# Altium PCB Ixora.PcbDoc (part 8 of 13)
Units mm, origin at the board's own origin, x right, y up, seen from the top; angles counter-clockwise.
Board outline 125 x 90 mm, 6 copper layers (Top Layer, GND, Mid-Layer 1, Mid-Layer 2, POWER, Bottom Layer), stack 1.561 mm thick; 454 components, 512 nets, 2071 pads, 863 vias.
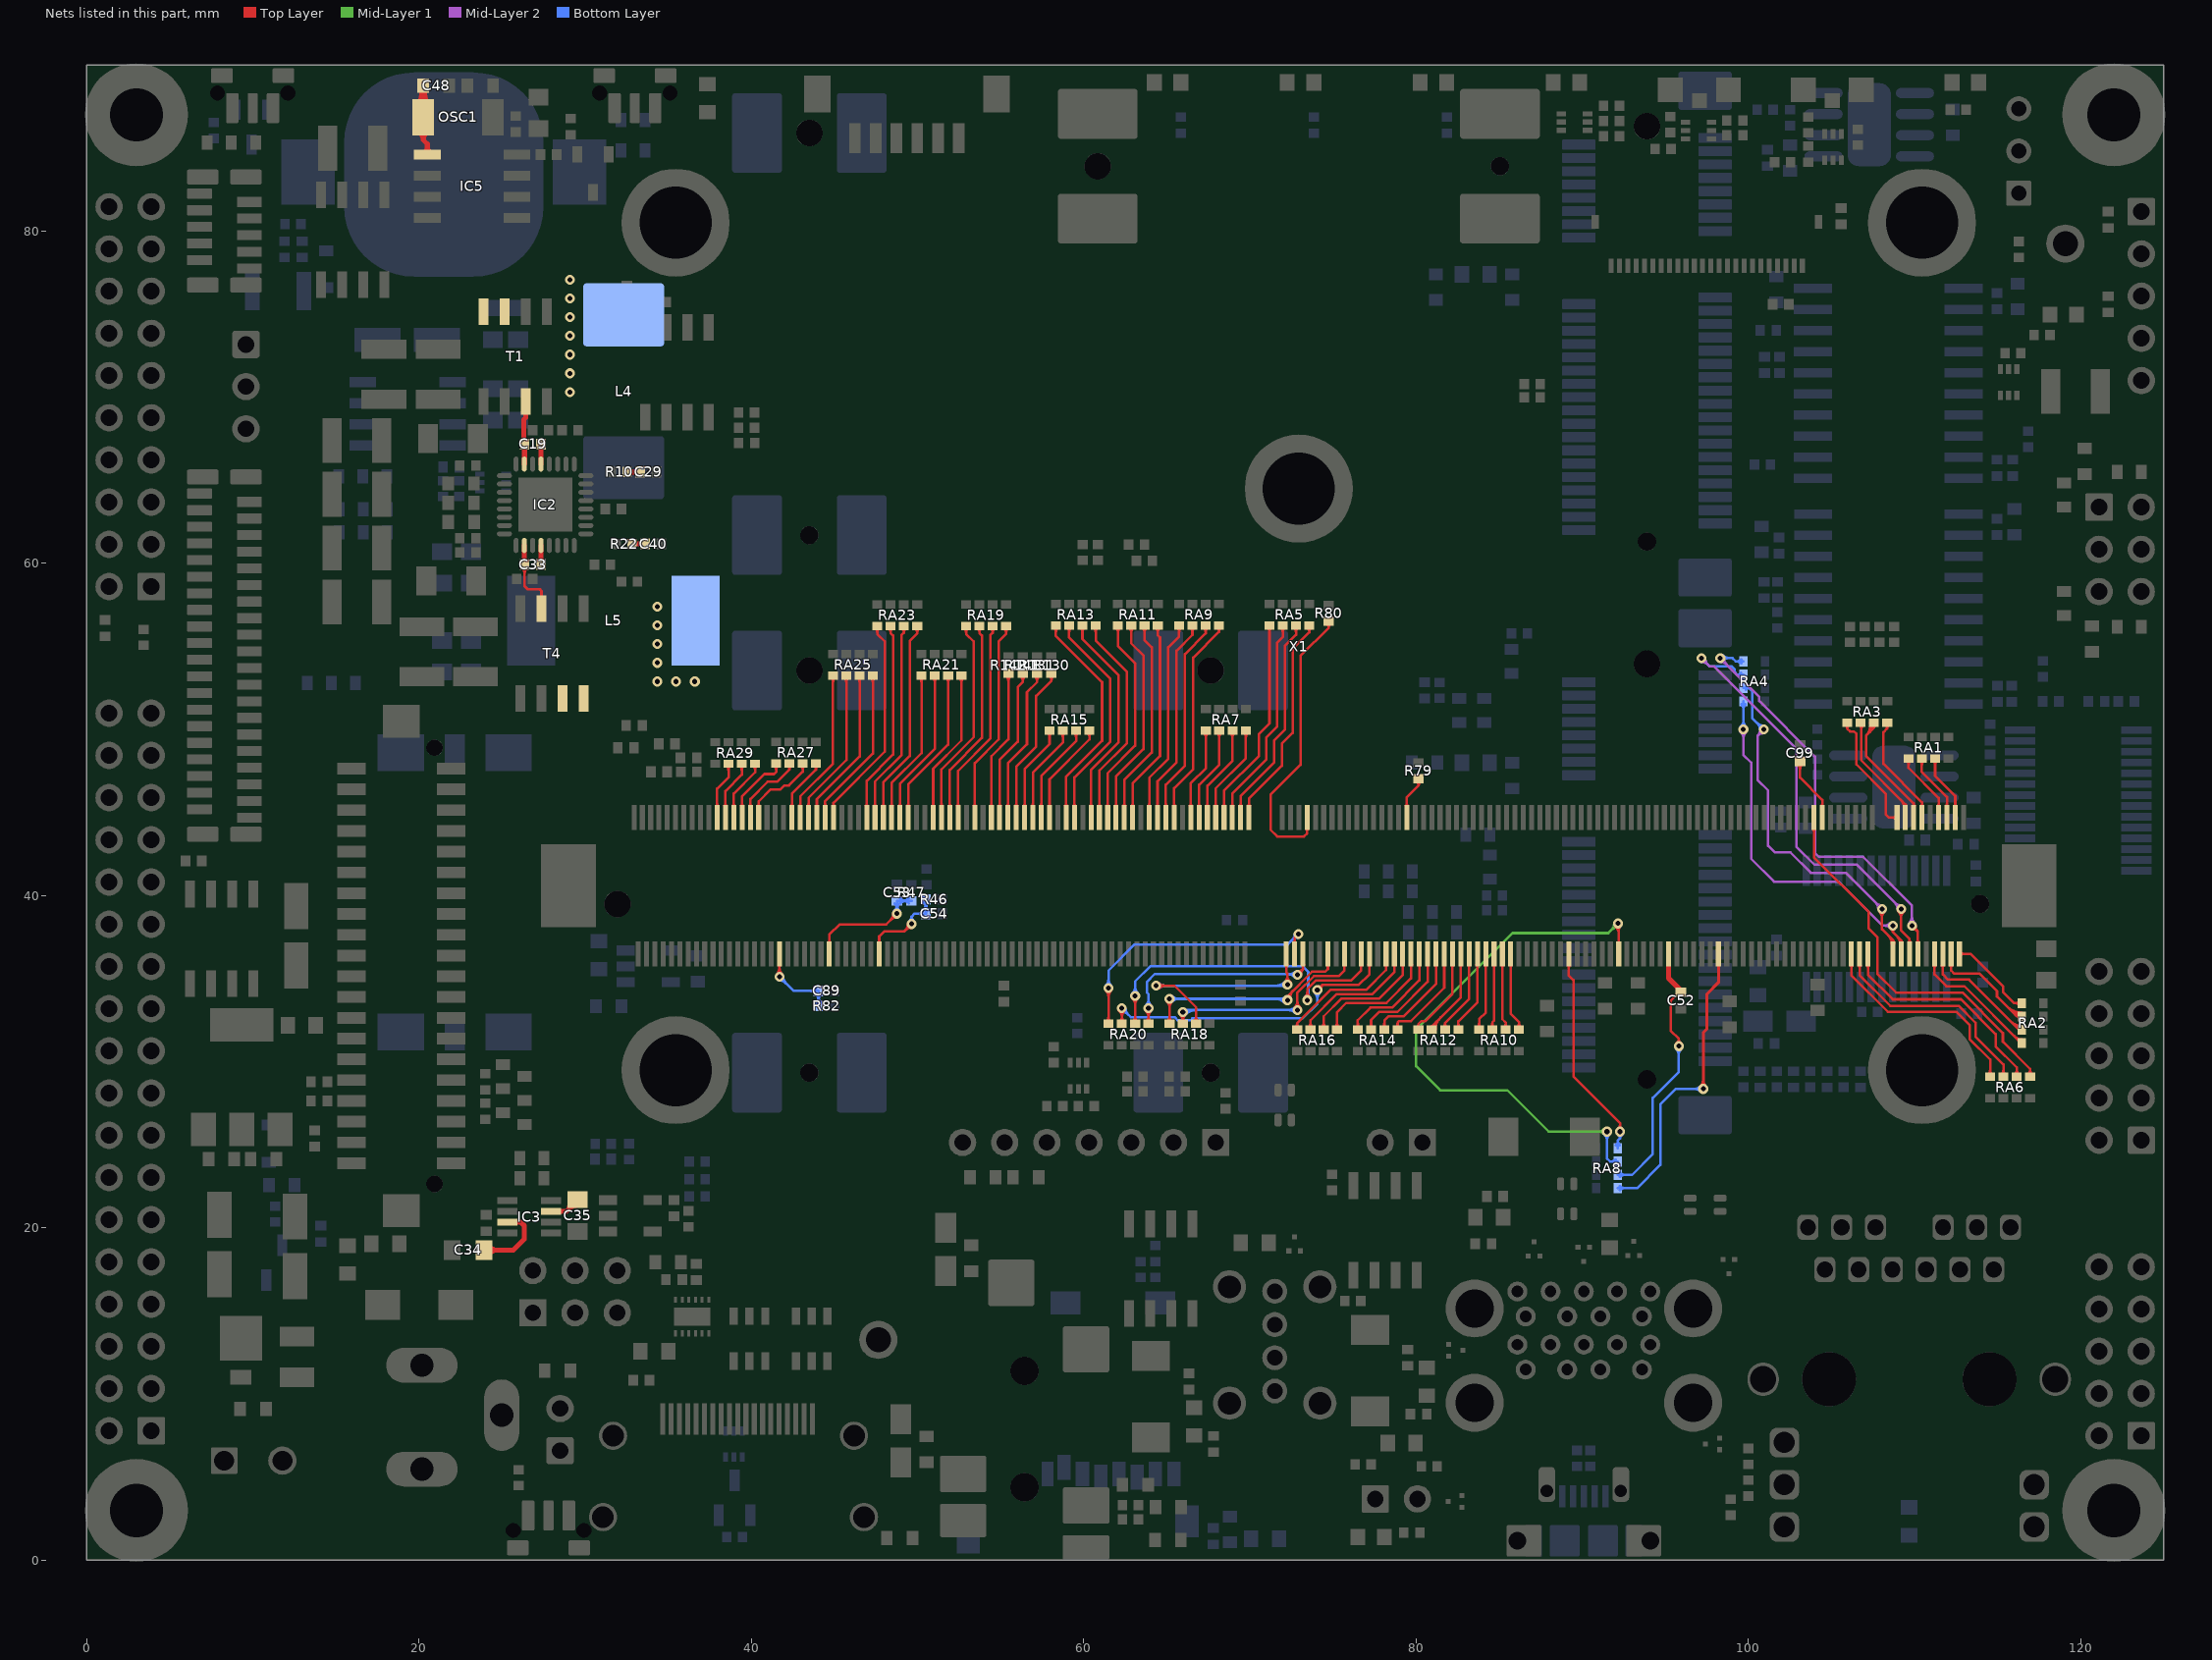
[diagram p12: the nets of this part, all layers, seen from the top]

## Via types
v1: diameter 0.6, hole 0.3, Top Layer to Bottom Layer, tented both sides, 852 vias
v2: diameter 0.6, hole 0.3, Top Layer to Bottom Layer, 11 vias

## Nets (pads, with @x,y where several pads share a name; then routed paths per layer and width w, separated by ;. In a path a pad name is that pad's centre, name@x,y a point inside that pad or via, vN(x,y) a via of type N, cw(c..) or ccw(c..) an arc to the next point about the centre after c; other vN are vias at no path point) (continued)
MXM3_2_M: RA2.8 X1.2 | length 6.4
  Top Layer w0.15: X1.2@112.7,36.5 113.36,36.5 115.341,34.519 115.341,34.188 115.997,33.533 RA2.8@116.457,33.533 ; RA2.8@116.333,33.409 ccw(c116.035,33.111) 116.035,33.533 ccw(c116.035,33.956) RA2.8@116.333,33.657 ; 112.932,36.5 cw(c112.932,36.681) 112.804,36.553 ccw(c112.932,36.681) 112.932,36.5 ; 112.932,36.5 ccw(c112.932,36.319) 112.804,36.447 cw(c112.932,36.319) 112.932,36.5
MXM3_3_M: RA1.3 X1.3 | length 5
  Top Layer w0.15: RA1.3@111.115,48.132 cw(c110.817,47.833) 111.239,47.833 cw(c111.662,47.833) RA1.3@111.363,48.132 ; RA1.3@111.239,48.255 111.239,47.206 112.45,45.995 X1.3@112.45,44.7 ; X1.3@112.397,45.404 ccw(c112.269,45.532) 112.45,45.532 ccw(c112.631,45.532) X1.3@112.503,45.404
MXM3_4_M: RA2.7 X1.4 | length 9.3
  Top Layer w0.15: X1.4@112.147,35.796 cw(c112.019,35.668) 112.2,35.668 cw(c112.381,35.668) X1.4@112.253,35.796 ; X1.4@112.2,36.5 112.2,35.501 112.395,35.306 113.919,35.306 114.96,34.265 114.96,33.934 116.162,32.733 ; 115.568,33.326 ccw(c116.457,34.215) RA2.7@116.457,32.958 ; 115.825,33.07 ccw(c116.457,33.703) RA2.7@116.457,32.808 ; 116.081,32.814 ccw(c116.457,33.191) RA2.7@116.457,32.658 ; RA2.7@116.304,32.649 ccw(c116.162,32.571) 116.162,32.733 ; RA2.7@116.304,32.817 cw(c116.162,32.895) 116.162,32.733 ; RA2.7@116.457,32.733 116.162,32.733
MXM3_5_M: RA1.2 X1.5 | length 5.1
  Top Layer w0.15: RA1.2@110.315,48.132 cw(c110.017,47.833) 110.439,47.833 cw(c110.862,47.833) RA1.2@110.563,48.132 ; RA1.2@110.439,48.255 110.439,47.447 111.95,45.936 X1.5@111.95,44.7 ; X1.5@111.897,45.404 ccw(c111.769,45.532) 111.95,45.532 ccw(c112.131,45.532) X1.5@112.003,45.404
MXM3_6_M: RA2.6 X1.6 | length 8.8
  Top Layer w0.15: X1.6@111.647,35.796 cw(c111.519,35.668) 111.7,35.668 cw(c111.881,35.668) X1.6@111.753,35.796 ; X1.6@111.7,36.5 111.7,35.264 112.014,34.95 113.284,34.95 116.301,31.933 RA2.6@116.457,31.933 ; 115.807,32.428 ccw(c116.457,33.078) RA2.6@116.457,32.158 ; 116.063,32.172 ccw(c116.457,32.566) RA2.6@116.457,32.008
MXM3_7_M: RA1.1 X1.7 | length 5.3
  Top Layer w0.15: RA1.1@109.515,48.132 cw(c109.217,47.833) 109.639,47.833 cw(c110.062,47.833) RA1.1@109.763,48.132 ; RA1.1@109.639,48.255 109.639,47.688 111.45,45.878 X1.7@111.45,44.7 ; X1.7@111.397,45.404 ccw(c111.269,45.532) 111.45,45.532 ccw(c111.631,45.532) X1.7@111.503,45.404
MXM3_8_M: RA2.5 X1.8 | length 9.2
  Top Layer w0.15: X1.8@111.147,35.796 cw(c111.019,35.668) 111.2,35.668 cw(c111.381,35.668) X1.8@111.253,35.796 ; X1.8@111.2,36.5 111.2,35.263 111.913,34.55 112.998,34.55 116.415,31.133 RA2.5@116.457,31.133 ; 116.002,31.547 ccw(c116.457,32.002) RA2.5@116.457,31.358 ; RA2.5@116.223,31.325 cw(c116.081,31.183) RA2.5@116.282,31.183
MXM3_11_M: RA3.4 X1.11 | length 7.6
  Top Layer w0.15: RA3.4@108.249,50.28 cw(c108.082,50.063) 108.356,50.063 ; RA3.4@108.356,50.419 108.356,50.063 ; RA3.4@108.463,50.28 ccw(c108.63,50.063) 108.356,50.063 ; X1.11@110.397,45.404 ccw(c110.269,45.532) 110.45,45.532 ccw(c110.631,45.532) X1.11@110.503,45.404 ; X1.11@110.45,44.7 110.45,45.608 108.128,47.93 108.128,49.835 108.356,50.063
MXM3_12_M: RA4.4 X1.12 | length 30
  Top Layer w0.15: v1(109.844,38.2) 110.2,37.844 ; v1@109.857,37.975 cw(c109.882,37.527) 110.2,37.844 ; v1@110.069,38.187 ccw(c110.518,38.162) 110.2,37.844 ; X1.12@110.147,37.204 ccw(c110.019,37.332) 110.2,37.332 ccw(c110.381,37.332) X1.12@110.253,37.204 ; X1.12@110.2,36.5 110.2,37.844
  Mid-Layer 2 w0.15: v1@98.312,54.075 cw(c98.312,53.532) 98.697,53.916 cw(c99.081,54.3) v1@98.537,54.3 ; v1(98.312,54.3) 100.66,51.952 100.66,51.714 104.013,48.362 104.013,42.57 104.242,42.342 106.909,42.342 109.844,39.406 v1(109.844,38.2) ; v1@109.685,38.359 ccw(c109.301,38.743) 109.844,38.743 ccw(c110.388,38.743) v1@110.003,38.359
  Bottom Layer w0.15: v1(98.312,54.3) 99.04,54.3 99.24,54.1 RA4.4@99.7,54.1 ; v1@98.472,54.141 cw(c98.856,53.757) 98.856,54.3 cw(c98.856,54.843) v1@98.472,54.459 ; RA4.4@99.576,53.976 ccw(c99.277,53.678) 99.277,54.1 ccw(c99.277,54.522) RA4.4@99.576,54.224
MXM3_13_M: RA3.3 X1.13 | length 9.7
  Top Layer w0.15: 107.295,49.84 ccw(c106.824,50.311) RA3.3@107.482,50.415 ; RA3.3@107.333,50.392 cw(c106.464,50.254) 107.086,49.632 ; RA3.3@107.463,50.271 cw(c107.356,50.101) 107.556,50.101 ; 107.503,50.048 ccw(c107.183,50.368) RA3.3@107.63,50.439 ; RA3.3@107.556,50.419 107.556,50.101 ; RA3.3@107.65,50.271 ccw(c107.757,50.101) 107.556,50.101 ; X1.13@109.897,45.404 ccw(c109.769,45.532) 109.95,45.532 ccw(c110.131,45.532) X1.13@110.003,45.404 ; X1.13@109.95,44.7 109.95,45.549 107.086,48.412 107.086,49.632 ; 107.086,49.632 107.556,50.101
MXM3_14_M: RA4.3 X1.14 | length 31.9
  Top Layer w0.15: v1@109.033,39.041 cw(c108.649,38.657) 109.192,38.657 cw(c109.735,38.657) v1@109.351,39.041 ; v1(109.192,39.2) 109.192,37.899 109.7,37.391 X1.14@109.7,36.5 ; X1.14@109.647,37.204 ccw(c109.519,37.332) 109.7,37.332 ccw(c109.881,37.332) X1.14@109.753,37.204
  Mid-Layer 2 w0.15: v1@97.171,54.075 cw(c97.171,53.532) 97.555,53.916 cw(c97.939,54.3) v1@97.396,54.3 ; v1(97.171,54.3) 97.671,53.8 97.94,53.8 102.885,48.855 102.885,42.962 103.988,41.859 106.533,41.859 v1(109.192,39.2) ; v1@108.967,39.2 ccw(c108.424,39.2) 108.808,39.584 ccw(c109.192,39.968) v1@109.192,39.425
  Bottom Layer w0.15: v1@97.171,54.075 cw(c97.171,53.532) 97.555,53.916 cw(c97.939,54.3) v1@97.396,54.3 ; v1(97.171,54.3) 97.671,53.8 99,53.8 99.175,53.625 99.175,53.455 99.33,53.3 ; RA4.3@99.565,53.189 ccw(c99.33,52.996) 99.33,53.3 ; RA4.3@99.565,53.411 cw(c99.33,53.604) 99.33,53.3 ; RA4.3@99.7,53.3 99.33,53.3
MXM3_15_M: RA3.2 X1.15 | length 8.5
  Top Layer w0.15: RA3.2@106.682,50.295 cw(c106.412,50.025) 106.794,50.025 ; 106.794,49.968 cw(c107.257,49.968) RA3.2@106.93,50.295 ; RA3.2@106.794,50.419 106.794,48.154 109.45,45.498 X1.15@109.45,44.7 ; 109.182,45.767 cw(c108.715,45.3) X1.15@109.375,45.3 ; X1.15@109.397,45.353 ccw(c109.269,45.481) 109.45,45.481 ccw(c109.631,45.481) X1.15@109.503,45.353 ; 109.438,45.511 cw(c109.227,45.3) X1.15@109.525,45.3
MXM3_16_M: RA4.1 X1.16 | length 26.4
  Top Layer w0.15: v1@108.582,38.004 cw(c108.475,37.815) 108.692,37.815 ; v1(108.692,38.2) 108.692,37.815 ; v1@108.802,38.004 ccw(c108.909,37.815) 108.692,37.815 ; 108.925,37.582 cw(c108.444,37.1) X1.16@109.125,37.1 ; X1.16@109.147,37.153 ccw(c109.019,37.281) 109.2,37.281 ccw(c109.381,37.281) X1.16@109.253,37.153 ; 109.182,37.326 cw(c108.956,37.1) X1.16@109.275,37.1 ; X1.16@109.2,36.5 109.2,37.307 108.692,37.815
  Mid-Layer 2 w0.15: v1@99.541,49.841 cw(c99.157,49.457) 99.7,49.457 cw(c100.243,49.457) v1@99.859,49.841 ; v1(99.7,50) 99.7,48.484 100.176,48.008 100.176,42.217 101.549,40.843 105.435,40.843 108.079,38.2 v1(108.692,38.2) ; v1@108.521,38.054 ccw(c108.206,37.787) 108.206,38.2 ccw(c108.206,38.613) v1@108.521,38.346
  Bottom Layer w0.15: v1@99.541,50.159 ccw(c99.157,50.543) 99.7,50.543 ccw(c100.243,50.543) v1@99.859,50.159 ; RA4.1@99.576,51.526 cw(c99.277,51.228) 99.7,51.228 cw(c100.122,51.228) RA4.1@99.824,51.526 ; v1(99.7,50) RA4.1@99.7,51.7
MXM3_17_M: RA3.1 X1.17 | length 8.2
  Top Layer w0.15: RA3.1@105.846,50.283 cw(c105.656,50.051) 105.956,50.051 ; RA3.1@105.956,50.419 105.956,50.051 ; RA3.1@106.067,50.283 ccw(c106.256,50.051) 105.956,50.051 ; X1.17@108.846,44.647 ccw(c108.718,44.519) 108.718,44.7 ccw(c108.718,44.881) X1.17@108.846,44.753 ; X1.17@108.95,44.7 108.462,44.7 108.28,44.882 108.28,46.118 106.502,47.896 106.502,49.733 106.35,49.886 106.121,49.886 105.956,50.051
MXM3_18_M: RA4.2 X1.18 | length 27.6
  Top Layer w0.15: v1@107.881,39.041 cw(c107.496,38.657) 108.04,38.657 cw(c108.583,38.657) v1@108.199,39.041 ; v1(108.04,39.2) 108.04,37.985 108.7,37.325 X1.18@108.7,36.5 ; 108.413,37.611 cw(c107.902,37.1) X1.18@108.625,37.1 ; X1.18@108.647,37.153 ccw(c108.519,37.281) 108.7,37.281 ccw(c108.881,37.281) X1.18@108.753,37.153 ; 108.669,37.355 cw(c108.414,37.1) X1.18@108.775,37.1
  Mid-Layer 2 w0.15: v1@100.701,49.993 cw(c100.215,49.977) 100.559,49.633 ; v1@100.703,49.967 cw(c100.376,49.918) 100.61,49.684 cw(c100.844,49.45) v1@100.892,49.777 ; v1@100.918,49.775 ccw(c100.902,49.289) 100.559,49.633 ; v1(100.926,50) 100.559,49.633 ; v1@107.815,39.2 ccw(c107.271,39.2) 107.656,39.584 ccw(c108.04,39.968) v1@108.04,39.425 ; v1(108.04,39.2) 105.863,41.377 103.759,41.377 102.54,42.596 101.6,42.596 101.194,43.002 101.194,46.33 100.559,46.965 100.559,49.633
  Bottom Layer w0.15: RA4.2@99.7,52.5 100.052,52.5 ; RA4.2@99.84,52.394 cw(c100.052,52.234) 100.052,52.5 ; RA4.2@99.84,52.606 ccw(c100.052,52.766) 100.052,52.5 ; v1@100.701,50 ccw(c100.157,50) 100.542,50.384 ccw(c100.926,50.768) v1@100.926,50.225 ; v1(100.926,50) 100.228,50.697 100.228,52.324 100.052,52.5
MXM3_24_M: RA6.2 X1.24 | length 14.5
  Top Layer w0.15: X1.24@107.147,35.796 cw(c107.019,35.668) 107.2,35.668 cw(c107.381,35.668) X1.24@107.253,35.796 ; X1.24@107.2,36.5 107.2,35.25 108.687,33.763 112.795,33.763 114.884,31.674 114.884,30.937 116.152,29.67 RA6.2@116.152,29.101 ; RA6.2@116.028,29.225 ccw(c115.729,29.523) 116.152,29.523 ccw(c116.574,29.523) RA6.2@116.275,29.225
MXM3_26_M: RA6.3 X1.26 | length 14.3
  Top Layer w0.15: X1.26@106.647,35.796 cw(c106.519,35.668) 106.7,35.668 cw(c106.881,35.668) X1.26@106.753,35.796 ; X1.26@106.7,36.5 106.7,35.21 108.537,33.373 112.652,33.373 113.665,32.36 113.665,31.521 115.352,29.835 RA6.3@115.352,29.101 ; RA6.3@115.228,29.225 ccw(c114.929,29.523) 115.352,29.523 ccw(c115.774,29.523) RA6.3@115.475,29.225
MXM3_28_M: RA6.4 X1.28 | length 14.2
  Top Layer w0.15: X1.28@106.147,35.796 cw(c106.019,35.668) 106.2,35.668 cw(c106.381,35.668) X1.28@106.253,35.796 ; X1.28@106.2,36.5 106.2,35.202 108.389,33.013 112.52,33.013 113.317,32.216 113.317,31.377 114.552,30.143 RA6.4@114.552,29.101 ; RA6.4@114.428,29.225 ccw(c114.129,29.523) 114.552,29.523 ccw(c114.974,29.523) RA6.4@114.675,29.225
MXM3_35_M: C99.2 X1.35 | length 5
  Top Layer w0.15: C99.2@102.959,47.935 cw(c102.592,47.568) 103.111,47.568 cw(c103.63,47.568) C99.2@103.263,47.935 ; C99.2@103.111,48.087 103.111,47.105 104.45,45.766 X1.35@104.45,44.7 ; X1.35@104.397,45.404 ccw(c104.269,45.532) 104.45,45.532 ccw(c104.631,45.532) X1.35@104.503,45.404
MXM3_37_M: RA6.1 X1.37 | length 24.3
  Top Layer w0.15: X1.37@103.897,43.996 cw(c103.769,43.868) 103.95,43.868 cw(c104.131,43.868) X1.37@104.003,43.996 ; X1.37@103.95,44.7 103.95,42.303 107.239,39.014 107.239,38.024 107.772,37.49 107.772,35.281 108.89,34.163 112.887,34.163 115.316,31.734 115.316,31.217 116.952,29.581 RA6.1@116.952,29.101 ; RA6.1@116.828,29.225 ccw(c116.529,29.523) 116.952,29.523 ccw(c117.374,29.523) RA6.1@117.075,29.225
MXM3_60_M: RA8.4 X1.60 | length 20.6
  Top Layer w0.18: v1@97.126,28.507 ccw(c96.742,28.892) 97.285,28.892 ccw(c97.828,28.892) v1@97.444,28.507 ; v1(97.285,28.374) 97.285,31.753 97.5,31.968 97.5,34.076 98.2,34.776 X1.60@98.2,36.5
  Bottom Layer w0.15: RA8.4@92.15,22.4 93.3,22.4 94.7,23.8 94.7,27.441 95.633,28.374 v1(97.285,28.374) ; RA8.4@92.274,22.276 cw(c92.572,21.978) 92.572,22.4 cw(c92.572,22.822) RA8.4@92.274,22.524 ; v1@97.126,28.215 ccw(c96.742,27.831) 96.742,28.374 ccw(c96.742,28.917) v1@97.126,28.533
MXM3_72_M: C52.2 RA8.3 X1.72 | length 18.5
  Top Layer w0.15: v1@95.679,31.125 ccw(c95.486,31.388) 95.812,31.388 ; v1(95.812,30.944) 95.812,31.388 ; v1@95.945,31.125 cw(c96.139,31.388) 95.812,31.388 ; C52.2@96.073,34.19 96.06,34.177 95.823,34.177 95.326,33.68 95.326,31.874 95.812,31.388
  Top Layer w0.3: X1.72@95.2,36.5 95.2,35.037 96.06,34.177 C52.2@96.086,34.151
  Bottom Layer w0.15: RA8.3@92.15,23.2 93,23.2 94.25,24.45 94.25,27.829 95.812,29.391 v1(95.812,30.944) ; RA8.3@92.274,23.076 cw(c92.572,22.778) 92.572,23.2 cw(c92.572,23.622) RA8.3@92.274,23.324 ; v1@95.653,30.785 cw(c95.269,30.401) 95.812,30.401 cw(c96.355,30.401) v1@95.971,30.785
MXM3_84_M: RA8.2 X1.84 | length 39.6
  Top Layer w0.15: v1@91.99,38.17 cw(c91.483,37.663) 92.2,37.663 ; v1@92.096,38.276 cw(c91.845,38.025) 92.2,38.025 ; v1(92.149,38.329) 92.2,38.278 X1.84@92.2,36.5 ; 92.2,37.908 cw(c92.57,37.908) v1@92.308,38.17
  Mid-Layer 1 w0.15: v1@91.332,25.643 ccw(c90.948,25.259) 90.948,25.802 ccw(c90.948,26.345) v1@91.332,25.961 ; v1(91.491,25.802) 87.99,25.802 85.496,28.296 81.458,28.296 80.01,29.743 80.01,31.953 85.807,37.75 91.571,37.75 v1(92.149,38.329) ; v1@91.924,38.329 cw(c91.381,38.329) 91.765,37.945 cw(c92.149,37.56) v1@92.149,38.104
  Bottom Layer w0.15: v1@91.491,25.857 v1(91.491,25.802) 91.491,24.181 91.672,24 RA8.2@92.15,24 ; RA8.2@92.026,23.876 ccw(c91.728,23.578) 91.728,24 ccw(c91.728,24.422) RA8.2@92.026,24.124 ; 91.491,25.259 cw(c92.034,25.259) 91.65,25.643 ccw(c92.034,25.259) 91.491,25.259 ; 91.491,25.259 ccw(c90.948,25.259) 91.332,25.643 cw(c90.948,25.259) 91.491,25.259
MXM3_96_M: RA8.1 X1.96 | length 15
  Top Layer w0.15: X1.96@89.147,35.822 cw(c89.019,35.694) 89.2,35.694 cw(c89.381,35.694) X1.96@89.253,35.822 ; X1.96@89.2,36.5 89.2,35.191 89.475,34.916 89.475,29.118 92.277,26.316 v1(92.277,25.802) ; v1@92.163,25.996 ccw(c92.045,26.196) 92.277,26.196 ccw(c92.509,26.196) v1@92.391,25.996
  Bottom Layer w0.15: RA8.1@92.026,24.974 ccw(c91.728,25.272) 92.15,25.272 ; RA8.1@92.15,24.8 92.15,25.273 ; v1@92.159,25.61 cw(c92.03,25.4) 92.277,25.4 ; RA8.1@92.274,24.974 cw(c92.572,25.272) 92.15,25.272 ; v1(92.277,25.802) 92.277,25.4 ; v1@92.395,25.61 ccw(c92.524,25.4) 92.277,25.4 ; 92.15,25.273 92.277,25.4
MXM3_110_M: RA10.1 X1.110 | length 5.7
  Top Layer w0.15: X1.110@85.647,35.847 cw(c85.519,35.719) 85.7,35.719 cw(c85.881,35.719) X1.110@85.753,35.847 ; X1.110@85.7,36.5 85.7,32.893 86.2,32.393 RA10.1@86.2,31.934 ; RA10.1@86.076,32.058 ccw(c85.778,32.357) 86.2,32.357 ccw(c86.622,32.357) RA10.1@86.324,32.058
MXM3_112_M: RA10.2 X1.112 | length 5.6
  Top Layer w0.15: X1.112@85.147,35.847 cw(c85.019,35.719) 85.2,35.719 cw(c85.381,35.719) X1.112@85.253,35.847 ; X1.112@85.2,36.5 85.2,32.567 85.4,32.367 RA10.2@85.4,31.934 ; RA10.2@85.276,32.058 ccw(c84.978,32.357) 85.4,32.357 ccw(c85.822,32.357) RA10.2@85.524,32.058
MXM3_114_M: RA10.3 X1.114 | length 5.5
  Top Layer w0.15: RA10.3@84.476,32.058 ccw(c84.178,32.357) 84.6,32.357 ccw(c85.022,32.357) RA10.3@84.724,32.058 ; RA10.3@84.6,31.934 84.6,32.387 84.7,32.487 84.7,32.579 ; X1.114@84.647,35.847 cw(c84.519,35.719) 84.7,35.719 cw(c84.881,35.719) X1.114@84.753,35.847 ; 84.7,32.588 X1.114@84.7,36.5
MXM3_116_M: RA10.4 X1.116 | length 5.7
  Top Layer w0.15: RA10.4@83.676,32.058 ccw(c83.378,32.357) 83.8,32.357 ccw(c84.222,32.357) RA10.4@83.924,32.058 ; RA10.4@83.8,31.934 83.8,32.568 84.2,32.968 X1.116@84.2,36.5 ; X1.116@84.147,35.847 cw(c84.019,35.719) 84.2,35.719 cw(c84.381,35.719) X1.116@84.253,35.847
MXM3_118_M: RA12.1 X1.118 | length 6
  Top Layer w0.15: RA12.1@82.426,32.058 ccw(c82.128,32.357) 82.55,32.357 ccw(c82.973,32.357) RA12.1@82.674,32.058 ; RA12.1@82.55,31.934 82.55,32.444 83.7,33.594 X1.118@83.7,36.5 ; X1.118@83.647,35.847 cw(c83.519,35.719) 83.7,35.719 cw(c83.881,35.719) X1.118@83.753,35.847
MXM3_120_M: RA12.2 X1.120 | length 6.1
  Top Layer w0.15: RA12.2@81.631,32.063 ccw(c81.38,32.334) 81.75,32.334 ; RA12.2@81.75,31.934 81.75,32.334 ; RA12.2@81.869,32.063 cw(c82.12,32.334) 81.75,32.334 ; X1.120@83.147,35.847 cw(c83.019,35.719) 83.2,35.719 cw(c83.381,35.719) X1.120@83.253,35.847 ; X1.120@83.2,36.5 83.2,33.784 81.75,32.334
MXM3_122_M: RA12.3 X1.122 | length 6.9
  Top Layer w0.15: RA12.3@80.95,31.934 80.95,32.142 82.7,33.892 X1.122@82.7,36.5 ; RA12.3@81.025,31.934 cw(c81.709,31.934) 81.225,32.418 ; RA12.3@81.175,31.934 cw(c82.221,31.934) 81.481,32.674 ; X1.122@82.647,35.847 cw(c82.519,35.719) 82.7,35.719 cw(c82.881,35.719) X1.122@82.753,35.847
MXM3_124_M: RA12.4 X1.124 | length 6.3
  Top Layer w0.15: RA12.4@80.045,32.074 ccw(c79.887,32.284) 80.15,32.284 ; RA12.4@80.15,31.934 80.15,32.284 ; RA12.4@80.255,32.074 cw(c80.413,32.284) 80.15,32.284 ; X1.124@82.147,35.847 cw(c82.019,35.719) 82.2,35.719 cw(c82.381,35.719) X1.124@82.253,35.847 ; X1.124@82.2,36.5 82.2,34.092 80.569,32.461 80.327,32.461 80.15,32.284
MXM3_126_M: RA14.1 X1.126 | length 7.1
  Top Layer w0.15: RA14.1@78.776,32.058 ccw(c78.477,32.357) 78.9,32.357 ccw(c79.322,32.357) RA14.1@79.024,32.058 ; RA14.1@78.9,31.934 78.9,32.368 78.994,32.461 79.705,32.461 81.7,34.456 X1.126@81.7,36.5 ; X1.126@81.647,35.847 cw(c81.519,35.719) 81.7,35.719 cw(c81.881,35.719) X1.126@81.753,35.847
MXM3_128_M: RA14.2 X1.128 | length 7.3
  Top Layer w0.15: RA14.2@77.976,32.058 ccw(c77.677,32.357) 78.1,32.357 ccw(c78.522,32.357) RA14.2@78.224,32.058 ; RA14.2@78.1,31.934 78.1,32.487 78.344,32.731 79.245,32.731 81.2,34.686 X1.128@81.2,36.5 ; X1.128@81.147,35.847 cw(c81.019,35.719) 81.2,35.719 cw(c81.381,35.719) X1.128@81.253,35.847
MXM3_130_M: RA14.3 X1.130 | length 7.6
  Top Layer w0.15: RA14.3@77.176,32.058 ccw(c76.877,32.357) 77.3,32.357 ccw(c77.722,32.357) RA14.3@77.424,32.058 ; RA14.3@77.3,31.934 77.3,32.517 77.784,33.001 78.881,33.001 80.7,34.82 X1.130@80.7,36.5 ; X1.130@80.647,35.847 cw(c80.519,35.719) 80.7,35.719 cw(c80.881,35.719) X1.130@80.753,35.847
MXM3_132_M: RA14.4 X1.132 | length 7.8
  Top Layer w0.15: RA14.4@76.376,32.058 ccw(c76.077,32.357) 76.5,32.357 ccw(c76.922,32.357) RA14.4@76.624,32.058 ; RA14.4@76.5,31.934 76.5,32.507 77.264,33.271 78.559,33.271 80.2,34.912 X1.132@80.2,36.5 ; X1.132@80.147,35.847 cw(c80.019,35.719) 80.2,35.719 cw(c80.381,35.719) X1.132@80.253,35.847
MXM3_134_M: RA16.1 X1.134 | length 8.8
  Top Layer w0.15: RA16.1@75.126,32.058 ccw(c74.828,32.357) 75.25,32.357 ccw(c75.672,32.357) RA16.1@75.374,32.058 ; RA16.1@75.25,31.934 75.25,32.99 75.801,33.541 78.219,33.541 79.7,35.021 X1.134@79.7,36.5 ; X1.134@79.647,35.847 cw(c79.519,35.719) 79.7,35.719 cw(c79.881,35.719) X1.134@79.753,35.847
MXM3_135_M: R79.1 X1.135 | length 3.4
  Top Layer w0.15: X1.135@79.397,45.404 ccw(c79.269,45.532) 79.45,45.532 ccw(c79.631,45.532) X1.135@79.503,45.404 ; X1.135@79.45,44.7 79.45,45.922 80.162,46.634 ; R79.1@80.045,46.856 cw(c79.895,46.634) 80.162,46.634 ; R79.1@80.162,47.03 80.162,46.634 ; R79.1@80.28,46.856 ccw(c80.43,46.634) 80.162,46.634
MXM3_136_M: RA16.2 X1.136 | length 8.8
  Top Layer w0.15: RA16.2@74.326,32.058 ccw(c74.028,32.357) 74.45,32.357 ccw(c74.872,32.357) RA16.2@74.574,32.058 ; RA16.2@74.45,31.934 74.45,32.743 75.517,33.811 77.79,33.811 79.2,35.221 X1.136@79.2,36.5 ; X1.136@79.147,35.847 cw(c79.019,35.719) 79.2,35.719 cw(c79.381,35.719) X1.136@79.253,35.847
MXM3_138_M: RA16.3 X1.138 | length 8.9
  Top Layer w0.15: RA16.3@73.526,32.058 ccw(c73.228,32.357) 73.65,32.357 ccw(c74.072,32.357) RA16.3@73.774,32.058 ; RA16.3@73.65,31.934 73.65,32.502 75.229,34.081 77.384,34.081 78.7,35.397 X1.138@78.7,36.5 ; X1.138@78.647,35.847 cw(c78.519,35.719) 78.7,35.719 cw(c78.881,35.719) X1.138@78.753,35.847
MXM3_140_M: RA16.4 X1.140 | length 8.9
  Top Layer w0.15: RA16.4@72.737,32.067 ccw(c72.528,32.313) 72.85,32.313 ; RA16.4@72.85,31.934 72.85,32.313 ; RA16.4@72.963,32.067 cw(c73.172,32.313) 72.85,32.313 ; X1.140@78.147,35.847 cw(c78.019,35.719) 78.2,35.719 cw(c78.381,35.719) X1.140@78.253,35.847 ; X1.140@78.2,36.5 78.2,35.522 77.029,34.35 74.888,34.35 72.85,32.313
MXM3_144_M: RA20.3 X1.144 | length 23.1
  Top Layer w0.15: v1@62.143,33.069 cw(c61.758,32.685) 62.302,32.685 cw(c62.845,32.685) v1@62.461,33.069 ; RA20.3@62.178,32.424 ccw(c61.879,32.722) 62.302,32.722 ccw(c62.724,32.722) RA20.3@62.425,32.424 ; RA20.3@62.302,32.3 v1(62.302,33.229) ; v1(74.066,34.315) 74.371,34.62 ; v1@74.106,34.537 ccw(c74.159,34.833) 74.371,34.62 ; v1@74.288,34.355 cw(c74.584,34.408) 74.371,34.62 ; X1.144@77.147,35.847 cw(c77.019,35.719) 77.2,35.719 cw(c77.381,35.719) X1.144@77.253,35.847 ; X1.144@77.2,36.5 77.2,35.28 76.541,34.62 74.371,34.62
  Bottom Layer w0.15: v1@62.302,33.004 cw(c62.302,32.46) 62.686,32.844 cw(c63.07,33.229) v1@62.527,33.229 ; v1(62.302,33.229) 62.84,32.69 65.477,32.69 65.659,32.508 66.442,32.508 66.548,32.614 73.177,32.614 74.066,33.503 v1(74.066,34.315) ; v1@73.907,34.156 cw(c73.523,33.772) 74.066,33.772 cw(c74.61,33.772) v1@74.225,34.156
MXM3_146_M: RA20.2 X1.146 | length 25.4
  Top Layer w0.15: v1@62.942,33.819 cw(c62.558,33.435) 63.102,33.435 cw(c63.645,33.435) v1@63.261,33.819 ; RA20.2@62.978,32.424 ccw(c62.679,32.722) 63.102,32.722 ccw(c63.524,32.722) RA20.2@63.225,32.424 ; RA20.2@63.102,32.3 v1(63.102,33.979) ; v1@73.308,33.875 ccw(c72.923,34.259) 73.467,34.259 ccw(c74.01,34.259) v1@73.626,33.875 ; v1(73.467,33.716) 73.467,34.387 73.969,34.89 76.089,34.89 76.7,35.501 X1.146@76.7,36.5 ; X1.146@76.647,35.847 cw(c76.519,35.719) 76.7,35.719 cw(c76.881,35.719) X1.146@76.753,35.847